# Altium PCB Magnetic-Sequencer.PcbDoc (part 2 of 3)
Units mm, origin at the board's own origin, x right, y up, seen from the top; angles counter-clockwise.
Board outline 395 x 395 mm, 2 copper layers (Top Layer, Bottom Layer), stack 1.569 mm thick; 301 components, 112 nets, 1084 pads, 626 vias.
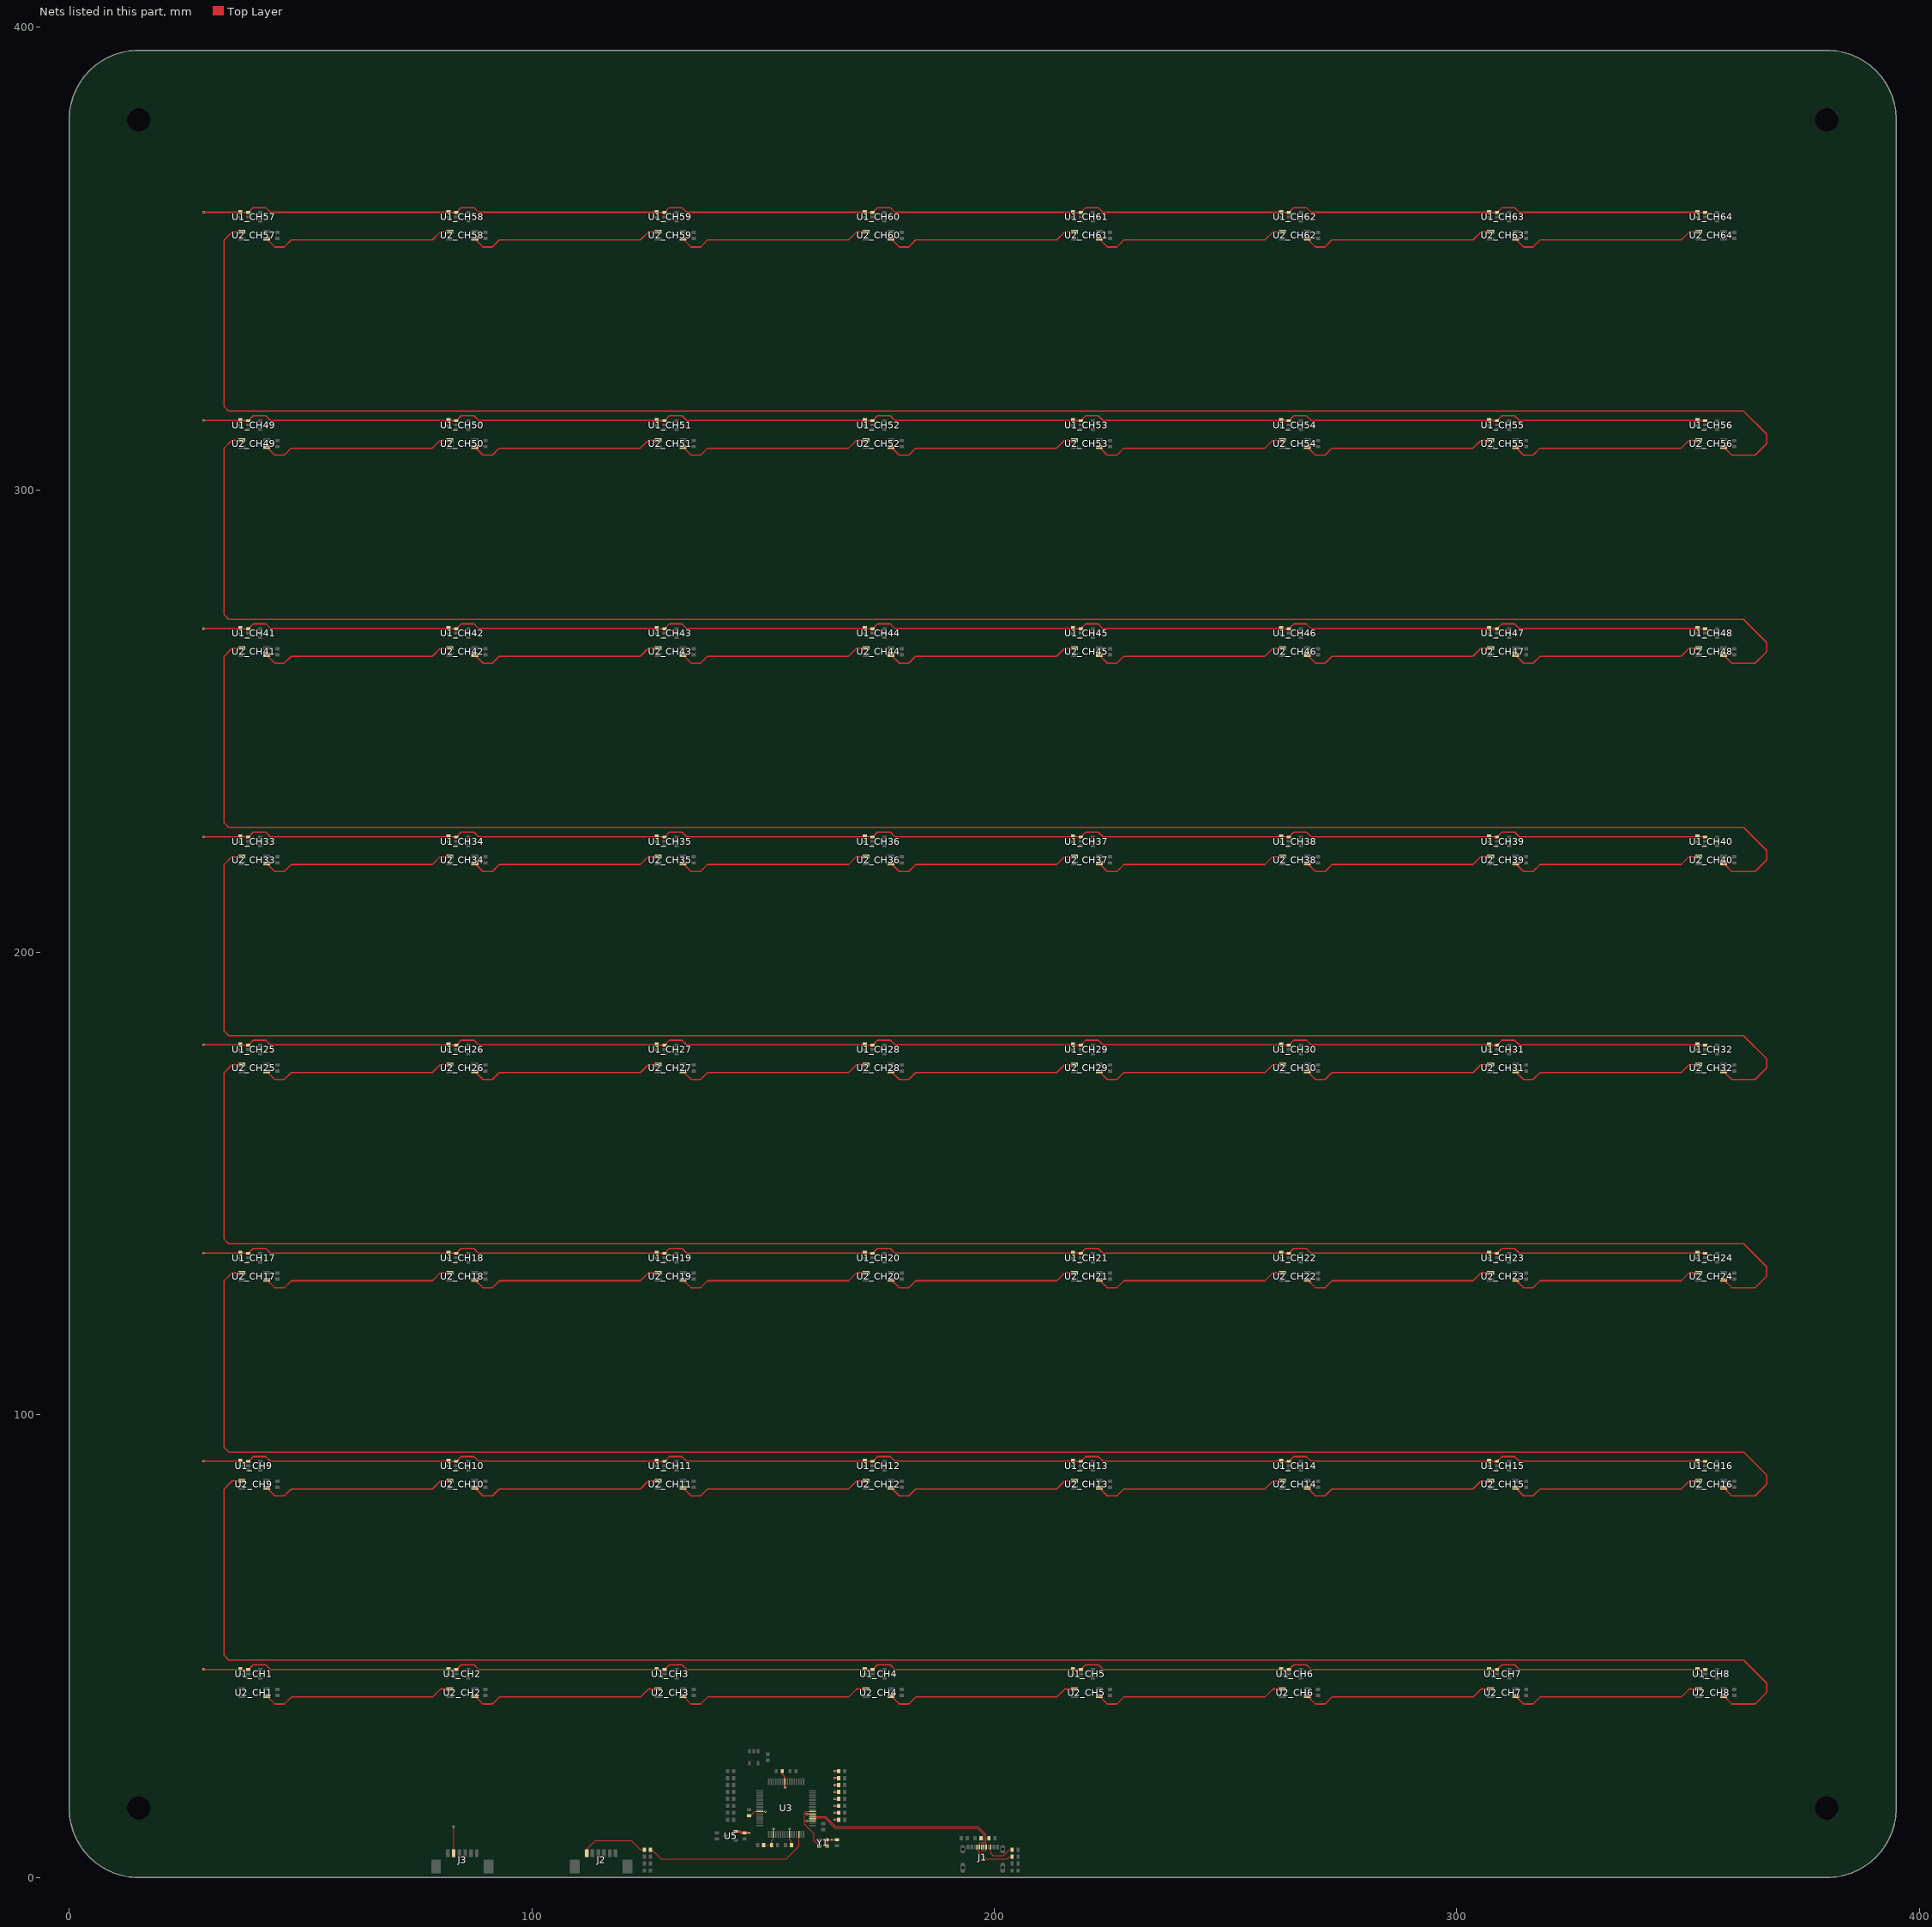
[diagram p2: the nets of this part, all layers, seen from the top]

## Part data
C1_CH1 C1_CH2 C1_CH3 C1_CH4 C1_CH5 C1_CH6 C1_CH7 C1_CH8 C1_CH9 C1_CH10 C1_CH11 C1_CH12 C1_CH13 C1_CH14 C1_CH15 C1_CH16 C1_CH17 C1_CH18 C1_CH19 C1_CH20 C1_CH21 C1_CH22 C1_CH23 C1_CH24 C1_CH25 C1_CH26 C1_CH27 C1_CH28 C1_CH29 C1_CH30 C1_CH31 C1_CH32 C1_CH33 C1_CH34 C1_CH35 C1_CH36 C1_CH37 C1_CH38 C1_CH39 C1_CH40 C1_CH41 C1_CH42 C1_CH43 C1_CH44 C1_CH45 C1_CH46 C1_CH47 C1_CH48 C1_CH49 C1_CH50 C1_CH51 C1_CH52 C1_CH53 C1_CH54 C1_CH55 C1_CH56 C1_CH57 C1_CH58 C1_CH59 C1_CH60 C1_CH61 C1_CH62 C1_CH63 C1_CH64 C2_CH1 C2_CH2 C2_CH3 C2_CH4 C2_CH5 C2_CH6 C2_CH7 C2_CH8 C2_CH9 C2_CH10 C2_CH11 C2_CH12 C2_CH13 C2_CH14 C2_CH15 C2_CH16 C2_CH17 C2_CH18 C2_CH19 C2_CH20 C2_CH21 C2_CH22 C2_CH23 C2_CH24 C2_CH25 C2_CH26 C2_CH27 C2_CH28 C2_CH29 C2_CH30 C2_CH31 C2_CH32 C2_CH33 C2_CH34 C2_CH35 C2_CH36 C2_CH37 C2_CH38 C2_CH39 C2_CH40 C2_CH41 C2_CH42 C2_CH43 C2_CH44 C2_CH45 C2_CH46 C2_CH47 C2_CH48 C2_CH49 C2_CH50 C2_CH51 C2_CH52 C2_CH53 C2_CH54 C2_CH55 C2_CH56 C2_CH57 C2_CH58 C2_CH59 C2_CH60 C2_CH61 C2_CH62 C2_CH63 C2_CH64 C3 C4 C5 C6 C7 C8 C9 C10 C11 C12: library part Capacitor
D1 D2 D3: library part "Diode TVS"
J1: library part "USB-C Receptacle (16 Pin)"
R1 R2 R3 R4 R5 R6 R7 R8 R9 R10 R11 R12 R13 R14 R15 R16 R17 R18 R19 R20 R21 R22 R23 R24 R25: library part Resistor
U3: library part PIC32MX470F512H
U4: library part "SN74LVC1xxx (1 Input)"
Y1: library part Oscillator

## Free pads (board coordinates)
  round 5.1 hole 5.1 unplated: "Mounting Hole"(15,15) "Mounting Hole"(15,380) "Mounting Hole"(380,15) "Mounting Hole"(380,380)

## Via types
v1: diameter 0.5, hole 0.3, Top Layer to Bottom Layer, tented both sides, 626 vias

## Nets (pads, with @x,y where several pads share a name; then routed paths per layer and width w, separated by ;. In a path a pad name is that pad's centre, name@x,y a point inside that pad or via, vN(x,y) a via of type N, cw(c..) or ccw(c..) an arc to the next point about the centre after c; other vN are vias at no path point)
3.3V: C1_CH1.2 C1_CH2.2 C1_CH3.2 C1_CH4.2 C1_CH5.2 C1_CH6.2 C1_CH7.2 C1_CH8.2 C1_CH9.2 C1_CH10.2 C1_CH11.2 C1_CH12.2 C1_CH13.2 C1_CH14.2 C1_CH15.2 C1_CH16.2 C1_CH17.2 C1_CH18.2 C1_CH19.2 C1_CH20.2 C1_CH21.2 C1_CH22.2 C1_CH23.2 C1_CH24.2 C1_CH25.2 C1_CH26.2 C1_CH27.2 C1_CH28.2 C1_CH29.2 C1_CH30.2 C1_CH31.2 C1_CH32.2 C1_CH33.2 C1_CH34.2 C1_CH35.2 C1_CH36.2 C1_CH37.2 C1_CH38.2 C1_CH39.2 C1_CH40.2 C1_CH41.2 C1_CH42.2 C1_CH43.2 C1_CH44.2 C1_CH45.2 C1_CH46.2 C1_CH47.2 C1_CH48.2 C1_CH49.2 C1_CH50.2 C1_CH51.2 C1_CH52.2 C1_CH53.2 C1_CH54.2 C1_CH55.2 C1_CH56.2 C1_CH57.2 C1_CH58.2 C1_CH59.2 C1_CH60.2 C1_CH61.2 C1_CH62.2 C1_CH63.2 C1_CH64.2 C3.1 C5.2 C6.2 C7.2 C8.1 C11.2 J3.2 R1.2 R3.2 R4.2 R5.2 R6.2 R7.2 R8.2 R9.2 R10.2 U1_CH1.4 U1_CH2.4 U1_CH3.4 U1_CH4.4 U1_CH5.4 U1_CH6.4 U1_CH7.4 U1_CH8.4 U1_CH9.4 U1_CH10.4 U1_CH11.4 U1_CH12.4 U1_CH13.4 U1_CH14.4 U1_CH15.4 U1_CH16.4 U1_CH17.4 U1_CH18.4 U1_CH19.4 U1_CH20.4 U1_CH21.4 U1_CH22.4 U1_CH23.4 U1_CH24.4 U1_CH25.4 U1_CH26.4 U1_CH27.4 U1_CH28.4 U1_CH29.4 U1_CH30.4 U1_CH31.4 U1_CH32.4 U1_CH33.4 U1_CH34.4 U1_CH35.4 U1_CH36.4 U1_CH37.4 U1_CH38.4 U1_CH39.4 U1_CH40.4 U1_CH41.4 U1_CH42.4 U1_CH43.4 U1_CH44.4 U1_CH45.4 U1_CH46.4 U1_CH47.4 U1_CH48.4 U1_CH49.4 U1_CH50.4 U1_CH51.4 U1_CH52.4 U1_CH53.4 U1_CH54.4 U1_CH55.4 U1_CH56.4 U1_CH57.4 U1_CH58.4 U1_CH59.4 U1_CH60.4 U1_CH61.4 U1_CH62.4 U1_CH63.4 U1_CH64.4 U3.10 U3.19 U3.26 U3.35 U3.38 U3.57 U5.2 Y1.1 Y1.4 | length 2687.4
  Top Layer w0.15: J3.2@83.125,5.254 v1(83.125,11) ; C3.1@147,13.35 147.35,13.35 148.25,14.25 U3.10@149.3,14.25 v1(150.5,14.25) ; R1.2@150.15,7 C6.2@151.85,7 151.85,7.85 152.25,8.25 U3.19@152.25,9.3 v1(152.25,10.5) ; C5.2@154.15,23 154.15,22.35 154.75,21.75 U3.57@154.75,20.7 v1(154.75,19.5) ; v1(155.75,10.5) U3.26@155.75,9.3 155.75,8.25 156.15,7.85 C8.1@156.15,7 ; v1(159.5,12.25) U3.35@160.7,12.25 ; v1(159.5,13.75) U3.38@160.7,13.75 ; Y1.4@163.865,6.835 Y1.1@163.865,8.165 v1(164.925,8.165) 165.985,8.165 C7.2@166,8.15 C7.2@166,8
  Top Layer w0.254: v1(165.5,12.5) R10.2@166.35,12.5 ; v1(165.5,14) R9.2@166.35,14 ; v1(165.5,15.5) R8.2@166.35,15.5 ; v1(165.5,17) R7.2@166.35,17 ; v1(165.5,18.5) R6.2@166.35,18.5 ; v1(165.5,20) R5.2@166.35,20 ; v1(165.5,21.5) R4.2@166.35,21.5 ; v1(165.5,23) R3.2@166.35,23
  Top Layer w0.3: v1(29,45) 37.05,45 37.1,45.05 37.2,44.95 U1_CH1.4@38.7,44.95 39.75,46 42.5,46 43.5,45 82.05,45 82.1,45.05 82.2,44.95 U1_CH2.4@83.7,44.95 84.75,46 87.5,46 88.5,45 127.05,45 127.1,45.05 127.2,44.95 U1_CH3.4@128.7,44.95 129.75,46 132.5,46 133.5,45 172.05,45 172.1,45.05 172.2,44.95 U1_CH4.4@173.7,44.95 174.75,46 177.5,46 178.5,45 217.05,45 217.1,45.05 217.2,44.95 U1_CH5.4@218.7,44.95 219.75,46 222.5,46 223.5,45 262.05,45 262.1,45.05 262.2,44.95 U1_CH6.4@263.7,44.95 264.75,46 267.5,46 268.5,45 307.05,45 307.1,45.05 307.2,44.95 U1_CH7.4@308.7,44.95 309.75,46 312.5,46 313.5,45 352.05,45 352.1,45.05 352.2,44.95 U1_CH8.4@353.7,44.95 ; v1(29,90) 37.05,90 37.1,90.05 37.2,89.95 U1_CH9.4@38.7,89.95 39.75,91 42.5,91 43.5,90 82.05,90 82.1,90.05 82.2,89.95 U1_CH10.4@83.7,89.95 84.75,91 87.5,91 88.5,90 127.05,90 127.1,90.05 127.2,89.95 U1_CH11.4@128.7,89.95 129.75,91 132.5,91 133.5,90 172.05,90 172.1,90.05 172.2,89.95 U1_CH12.4@173.7,89.95 174.75,91 177.5,91 178.5,90 217.05,90 217.1,90.05 217.2,89.95 U1_CH13.4@218.7,89.95 219.75,91 222.5,91 223.5,90 262.05,90 262.1,90.05 262.2,89.95 U1_CH14.4@263.7,89.95 264.75,91 267.5,91 268.5,90 307.05,90 307.1,90.05 307.2,89.95 U1_CH15.4@308.7,89.95 309.75,91 312.5,91 313.5,90 352.05,90 352.1,90.05 352.2,89.95 U1_CH16.4@353.7,89.95 ; v1(29,135) 37.05,135 37.1,135.05 37.2,134.95 U1_CH17.4@38.7,134.95 39.75,136 42.5,136 43.5,135 82.05,135 82.1,135.05 82.2,134.95 U1_CH18.4@83.7,134.95 84.75,136 87.5,136 88.5,135 127.05,135 127.1,135.05 127.2,134.95 U1_CH19.4@128.7,134.95 129.75,136 132.5,136 133.5,135 172.05,135 172.1,135.05 172.2,134.95 U1_CH20.4@173.7,134.95 174.75,136 177.5,136 178.5,135 217.05,135 217.1,135.05 217.2,134.95 U1_CH21.4@218.7,134.95 219.75,136 222.5,136 223.5,135 262.05,135 262.1,135.05 262.2,134.95 U1_CH22.4@263.7,134.95 264.75,136 267.5,136 268.5,135 307.05,135 307.1,135.05 307.2,134.95 U1_CH23.4@308.7,134.95 309.75,136 312.5,136 313.5,135 352.05,135 352.1,135.05 352.2,134.95 U1_CH24.4@353.7,134.95 ; v1(29,180) 37.05,180 37.1,180.05 37.2,179.95 U1_CH25.4@38.7,179.95 39.75,181 42.5,181 43.5,180 82.05,180 82.1,180.05 82.2,179.95 U1_CH26.4@83.7,179.95 84.75,181 87.5,181 88.5,180 127.05,180 127.1,180.05 127.2,179.95 U1_CH27.4@128.7,179.95 129.75,181 132.5,181 133.5,180 172.05,180 172.1,180.05 172.2,179.95 U1_CH28.4@173.7,179.95 174.75,181 177.5,181 178.5,180 217.05,180 217.1,180.05 217.2,179.95 U1_CH29.4@218.7,179.95 219.75,181 222.5,181 223.5,180 262.05,180 262.1,180.05 262.2,179.95 U1_CH30.4@263.7,179.95 264.75,181 267.5,181 268.5,180 307.05,180 307.1,180.05 307.2,179.95 U1_CH31.4@308.7,179.95 309.75,181 312.5,181 313.5,180 352.05,180 352.1,180.05 352.2,179.95 U1_CH32.4@353.7,179.95 ; v1(29,225) 30.5,225 37.05,225 37.1,225.05 37.2,224.95 U1_CH33.4@38.7,224.95 39.75,226 42.5,226 43.5,225 82.05,225 82.1,225.05 82.2,224.95 U1_CH34.4@83.7,224.95 84.75,226 87.5,226 88.5,225 127.05,225 127.1,225.05 127.2,224.95 U1_CH35.4@128.7,224.95 129.75,226 132.5,226 133.5,225 172.05,225 172.1,225.05 172.2,224.95 U1_CH36.4@173.7,224.95 174.75,226 177.5,226 178.5,225 205,225 217.05,225 217.1,225.05 217.2,224.95 U1_CH37.4@218.7,224.95 219.75,226 222.5,226 223.5,225 262.05,225 262.1,225.05 262.2,224.95 U1_CH38.4@263.7,224.95 264.75,226 267.5,226 268.5,225 307.05,225 307.1,225.05 307.2,224.95 U1_CH39.4@308.7,224.95 309.75,226 312.5,226 313.5,225 352.05,225 352.1,225.05 352.2,224.95 U1_CH40.4@353.7,224.95 ; v1(29,270) 31,270 37.05,270 37.1,270.05 37.2,269.95 U1_CH41.4@38.7,269.95 39.75,271 42.5,271 43.5,270 82.05,270 82.1,270.05 82.2,269.95 U1_CH42.4@83.7,269.95 84.75,271 87.5,271 88.5,270 127.05,270 127.1,270.05 127.2,269.95 U1_CH43.4@128.7,269.95 129.75,271 132.5,271 133.5,270 172.05,270 172.1,270.05 172.2,269.95 U1_CH44.4@173.7,269.95 174.75,271 177.5,271 178.5,270 217.05,270 217.1,270.05 217.2,269.95 U1_CH45.4@218.7,269.95 219.75,271 222.5,271 223.5,270 262.05,270 262.1,270.05 262.2,269.95 U1_CH46.4@263.7,269.95 264.75,271 267.5,271 268.5,270 307.05,270 307.1,270.05 307.2,269.95 U1_CH47.4@308.7,269.95 309.75,271 312.5,271 313.5,270 352.05,270 352.1,270.05 352.2,269.95 U1_CH48.4@353.7,269.95 ; v1(29,315) 30.5,315 37.05,315 37.1,315.05 37.2,314.95 U1_CH49.4@38.7,314.95 39.75,316 42.5,316 43.5,315 82.05,315 82.1,315.05 82.2,314.95 U1_CH50.4@83.7,314.95 84.75,316 87.5,316 88.5,315 127.05,315 127.1,315.05 127.2,314.95 U1_CH51.4@128.7,314.95 129.75,316 132.5,316 133.5,315 172.05,315 172.1,315.05 172.2,314.95 U1_CH52.4@173.7,314.95 174.75,316 177.5,316 178.5,315 217.05,315 217.1,315.05 217.2,314.95 U1_CH53.4@218.7,314.95 219.75,316 222.5,316 223.5,315 262.05,315 262.1,315.05 262.2,314.95 U1_CH54.4@263.7,314.95 264.75,316 267.5,316 268.5,315 307.05,315 307.1,315.05 307.2,314.95 U1_CH55.4@308.7,314.95 309.75,316 312.5,316 313.5,315 352.05,315 352.1,315.05 352.2,314.95 U1_CH56.4@353.7,314.95 ; v1(29,360) 31,360 37.05,360 37.1,360.05 37.2,359.95 U1_CH57.4@38.7,359.95 39.75,361 42.5,361 43.5,360 82.05,360 82.1,360.05 82.2,359.95 U1_CH58.4@83.7,359.95 84.75,361 87.5,361 88.5,360 127.05,360 127.1,360.05 127.2,359.95 U1_CH59.4@128.7,359.95 129.75,361 132.5,361 133.5,360 172.05,360 172.1,360.05 172.2,359.95 U1_CH60.4@173.7,359.95 174.75,361 177.5,361 178.5,360 217.05,360 217.1,360.05 217.2,359.95 U1_CH61.4@218.7,359.95 219.75,361 222.5,361 223.5,360 262.05,360 262.1,360.05 262.2,359.95 U1_CH62.4@263.7,359.95 264.75,361 267.5,361 268.5,360 307.05,360 307.1,360.05 307.2,359.95 U1_CH63.4@308.7,359.95 309.75,361 312.5,361 313.5,360 352.05,360 352.1,360.05 352.2,359.95 U1_CH64.4@353.7,359.95
  Top Layer w0.5: U5.2@144.1,9.95 145.05,9.95 145.35,9.65 C11.2@146,9.65 v1(147,9.65)
CC1: J1.A5 R20.2 | length 9.3
  Top Layer w0.15: J1.A5@196.25,6.625 196.25,6 198.25,4 202.75,4 203.25,4.5 R20.2@203.85,4.5
CC2: J1.B5 R19.2 | length 6.7
  Top Layer w0.15: J1.B5@199.25,6.625 199.25,5.25 199.75,4.75 202,4.75 203.25,6 R19.2@203.85,6
CLKI: U3.39 Y1.3 | length 10.3
  Top Layer w0.15: U3.39@160.7,14.25 159.25,14.25 159,14 159,11.5 161,9.5 161,7.97 Y1.3@162.135,6.835
CTS: R22.2 U3.30 | length 36.6
  Top Layer w0.15: R22.2@125.65,6 125.787,5.863 126.137,5.863 128,4 155,4 157.75,6.75 U3.30@157.75,9.3
"CTS R": J2.1 R22.1 | length 15
  Top Layer w0.15: J2.1@111.875,5.254 111.875,6.125 113.75,8 121.5,8 123.5,6 R22.1@124.35,6
D1: U2_CH1.2 U2_CH2.4 | length 41.7
  Top Layer w0.3: U2_CH1.2@42.7,39.25 44.45,37.5 46.5,37.5 48,39 78.5,39 80.25,40.75 U2_CH2.4@82.3,40.75
D2: U2_CH2.2 U2_CH3.4 | length 41.7
  Top Layer w0.3: U2_CH2.2@87.7,39.25 89.45,37.5 91.5,37.5 93,39 123.5,39 125.25,40.75 U2_CH3.4@127.3,40.75
D3: U2_CH3.2 U2_CH4.4 | length 41.7
  Top Layer w0.3: U2_CH3.2@132.7,39.25 134.45,37.5 136.5,37.5 138,39 168.5,39 170.25,40.75 U2_CH4.4@172.3,40.75
D4: U2_CH4.2 U2_CH5.4 | length 41.7
  Top Layer w0.3: U2_CH4.2@177.7,39.25 179.45,37.5 181.5,37.5 183,39 213.5,39 215.25,40.75 U2_CH5.4@217.3,40.75
D5: U2_CH5.2 U2_CH6.4 | length 41.7
  Top Layer w0.3: U2_CH5.2@222.7,39.25 224.45,37.5 226.5,37.5 228,39 258.5,39 260.25,40.75 U2_CH6.4@262.3,40.75
D6: U2_CH6.2 U2_CH7.4 | length 41.7
  Top Layer w0.3: U2_CH6.2@267.7,39.25 269.45,37.5 271.5,37.5 273,39 303.5,39 305.25,40.75 U2_CH7.4@307.3,40.75
D7: U2_CH7.2 U2_CH8.4 | length 41.7
  Top Layer w0.3: U2_CH7.2@312.7,39.25 314.45,37.5 316.5,37.5 318,39 348.5,39 350.25,40.75 U2_CH8.4@352.3,40.75
D8: U2_CH8.2 U2_CH9.4 | length 389.6
  Top Layer w0.3: U2_CH9.4@37.3,85.75 35.25,85.75 33.5,84 33.5,48 34.5,47 362,47 367,42 367,40 364.5,37.5 359.45,37.5 U2_CH8.2@357.7,39.25
D9: U2_CH9.2 U2_CH10.4 | length 41.7
  Top Layer w0.3: U2_CH9.2@42.7,84.25 44.45,82.5 46.5,82.5 48,84 78.5,84 80.25,85.75 U2_CH10.4@82.3,85.75
D10: U2_CH10.2 U2_CH11.4 | length 41.7
  Top Layer w0.3: U2_CH10.2@87.7,84.25 89.45,82.5 91.5,82.5 93,84 123.5,84 125.25,85.75 U2_CH11.4@127.3,85.75
D11: U2_CH11.2 U2_CH12.4 | length 41.7
  Top Layer w0.3: U2_CH11.2@132.7,84.25 134.45,82.5 136.5,82.5 138,84 168.5,84 170.25,85.75 U2_CH12.4@172.3,85.75
D12: U2_CH12.2 U2_CH13.4 | length 41.7
  Top Layer w0.3: U2_CH12.2@177.7,84.25 179.45,82.5 181.5,82.5 183,84 213.5,84 215.25,85.75 U2_CH13.4@217.3,85.75
D13: U2_CH13.2 U2_CH14.4 | length 41.7
  Top Layer w0.3: U2_CH13.2@222.7,84.25 224.45,82.5 226.5,82.5 228,84 258.5,84 260.25,85.75 U2_CH14.4@262.3,85.75
D14: U2_CH14.2 U2_CH15.4 | length 41.7
  Top Layer w0.3: U2_CH14.2@267.7,84.25 269.45,82.5 271.5,82.5 273,84 303.5,84 305.25,85.75 U2_CH15.4@307.3,85.75
D15: U2_CH15.2 U2_CH16.4 | length 41.7
  Top Layer w0.3: U2_CH15.2@312.7,84.25 314.45,82.5 316.5,82.5 318,84 348.5,84 350.25,85.75 U2_CH16.4@352.3,85.75
D16: U2_CH16.2 U2_CH17.4 | length 389.6
  Top Layer w0.3: U2_CH17.4@37.3,130.75 35.25,130.75 33.5,129 33.5,93 34.5,92 362,92 367,87 367,85 364.5,82.5 359.45,82.5 U2_CH16.2@357.7,84.25
D17: U2_CH17.2 U2_CH18.4 | length 41.7
  Top Layer w0.3: U2_CH17.2@42.7,129.25 44.45,127.5 46.5,127.5 48,129 78.5,129 80.25,130.75 U2_CH18.4@82.3,130.75
D18: U2_CH18.2 U2_CH19.4 | length 41.7
  Top Layer w0.3: U2_CH18.2@87.7,129.25 89.45,127.5 91.5,127.5 93,129 123.5,129 125.25,130.75 U2_CH19.4@127.3,130.75
D19: U2_CH19.2 U2_CH20.4 | length 41.7
  Top Layer w0.3: U2_CH19.2@132.7,129.25 134.45,127.5 136.5,127.5 138,129 168.5,129 170.25,130.75 U2_CH20.4@172.3,130.75
D20: U2_CH20.2 U2_CH21.4 | length 41.7
  Top Layer w0.3: U2_CH20.2@177.7,129.25 179.45,127.5 181.5,127.5 183,129 213.5,129 215.25,130.75 U2_CH21.4@217.3,130.75
D21: U2_CH21.2 U2_CH22.4 | length 41.7
  Top Layer w0.3: U2_CH21.2@222.7,129.25 224.45,127.5 226.5,127.5 228,129 258.5,129 260.25,130.75 U2_CH22.4@262.3,130.75
D22: U2_CH22.2 U2_CH23.4 | length 41.7
  Top Layer w0.3: U2_CH22.2@267.7,129.25 269.45,127.5 271.5,127.5 273,129 303.5,129 305.25,130.75 U2_CH23.4@307.3,130.75
D23: U2_CH23.2 U2_CH24.4 | length 41.7
  Top Layer w0.3: U2_CH23.2@312.7,129.25 314.45,127.5 316.5,127.5 318,129 348.5,129 350.25,130.75 U2_CH24.4@352.3,130.75
D24: U2_CH24.2 U2_CH25.4 | length 389.6
  Top Layer w0.3: U2_CH25.4@37.3,175.75 35.25,175.75 33.5,174 33.5,138 34.5,137 362,137 367,132 367,130 364.5,127.5 359.45,127.5 U2_CH24.2@357.7,129.25
D25: U2_CH25.2 U2_CH26.4 | length 41.7
  Top Layer w0.3: U2_CH25.2@42.7,174.25 44.45,172.5 46.5,172.5 48,174 78.5,174 80.25,175.75 U2_CH26.4@82.3,175.75
D26: U2_CH26.2 U2_CH27.4 | length 41.7
  Top Layer w0.3: U2_CH26.2@87.7,174.25 89.45,172.5 91.5,172.5 93,174 123.5,174 125.25,175.75 U2_CH27.4@127.3,175.75
D27: U2_CH27.2 U2_CH28.4 | length 41.7
  Top Layer w0.3: U2_CH27.2@132.7,174.25 134.45,172.5 136.5,172.5 138,174 168.5,174 170.25,175.75 U2_CH28.4@172.3,175.75
D28: U2_CH28.2 U2_CH29.4 | length 41.7
  Top Layer w0.3: U2_CH28.2@177.7,174.25 179.45,172.5 181.5,172.5 183,174 213.5,174 215.25,175.75 U2_CH29.4@217.3,175.75
D29: U2_CH29.2 U2_CH30.4 | length 41.7
  Top Layer w0.3: U2_CH29.2@222.7,174.25 224.45,172.5 226.5,172.5 228,174 258.5,174 260.25,175.75 U2_CH30.4@262.3,175.75
D30: U2_CH30.2 U2_CH31.4 | length 41.7
  Top Layer w0.3: U2_CH30.2@267.7,174.25 269.45,172.5 271.5,172.5 273,174 303.5,174 305.25,175.75 U2_CH31.4@307.3,175.75
D31: U2_CH31.2 U2_CH32.4 | length 41.7
  Top Layer w0.3: U2_CH31.2@312.7,174.25 314.45,172.5 316.5,172.5 318,174 348.5,174 350.25,175.75 U2_CH32.4@352.3,175.75
D32: U2_CH32.2 U2_CH33.4 | length 389.6
  Top Layer w0.3: U2_CH33.4@37.3,220.75 35.25,220.75 33.5,219 33.5,183 34.5,182 362,182 367,177 367,175 364.5,172.5 359.45,172.5 U2_CH32.2@357.7,174.25
D33: U2_CH33.2 U2_CH34.4 | length 41.7
  Top Layer w0.3: U2_CH33.2@42.7,219.25 44.45,217.5 46.5,217.5 48,219 78.5,219 80.25,220.75 U2_CH34.4@82.3,220.75
D34: U2_CH34.2 U2_CH35.4 | length 41.7
  Top Layer w0.3: U2_CH34.2@87.7,219.25 89.45,217.5 91.5,217.5 93,219 123.5,219 125.25,220.75 U2_CH35.4@127.3,220.75
D35: U2_CH35.2 U2_CH36.4 | length 41.7
  Top Layer w0.3: U2_CH35.2@132.7,219.25 134.45,217.5 136.5,217.5 138,219 168.5,219 170.25,220.75 U2_CH36.4@172.3,220.75
D36: U2_CH36.2 U2_CH37.4 | length 41.7
  Top Layer w0.3: U2_CH36.2@177.7,219.25 179.45,217.5 181.5,217.5 183,219 213.5,219 215.25,220.75 U2_CH37.4@217.3,220.75
D37: U2_CH37.2 U2_CH38.4 | length 41.7
  Top Layer w0.3: U2_CH37.2@222.7,219.25 224.45,217.5 226.5,217.5 228,219 258.5,219 260.25,220.75 U2_CH38.4@262.3,220.75
D38: U2_CH38.2 U2_CH39.4 | length 41.7
  Top Layer w0.3: U2_CH38.2@267.7,219.25 269.45,217.5 271.5,217.5 273,219 303.5,219 305.25,220.75 U2_CH39.4@307.3,220.75
D39: U2_CH39.2 U2_CH40.4 | length 41.7
  Top Layer w0.3: U2_CH39.2@312.7,219.25 314.45,217.5 316.5,217.5 318,219 348.5,219 350.25,220.75 U2_CH40.4@352.3,220.75
D40: U2_CH40.2 U2_CH41.4 | length 389.6
  Top Layer w0.3: U2_CH41.4@37.3,265.75 35.25,265.75 33.5,264 33.5,228 34.5,227 362,227 367,222 367,220 364.5,217.5 359.45,217.5 U2_CH40.2@357.7,219.25
D41: U2_CH41.2 U2_CH42.4 | length 41.7
  Top Layer w0.3: U2_CH41.2@42.7,264.25 44.45,262.5 46.5,262.5 48,264 78.5,264 80.25,265.75 U2_CH42.4@82.3,265.75
D42: U2_CH42.2 U2_CH43.4 | length 41.7
  Top Layer w0.3: U2_CH42.2@87.7,264.25 89.45,262.5 91.5,262.5 93,264 123.5,264 125.25,265.75 U2_CH43.4@127.3,265.75
D43: U2_CH43.2 U2_CH44.4 | length 41.7
  Top Layer w0.3: U2_CH43.2@132.7,264.25 134.45,262.5 136.5,262.5 138,264 168.5,264 170.25,265.75 U2_CH44.4@172.3,265.75
D44: U2_CH44.2 U2_CH45.4 | length 41.7
  Top Layer w0.3: U2_CH44.2@177.7,264.25 179.45,262.5 181.5,262.5 183,264 213.5,264 215.25,265.75 U2_CH45.4@217.3,265.75
D45: U2_CH45.2 U2_CH46.4 | length 41.7
  Top Layer w0.3: U2_CH45.2@222.7,264.25 224.45,262.5 226.5,262.5 228,264 258.5,264 260.25,265.75 U2_CH46.4@262.3,265.75
D46: U2_CH46.2 U2_CH47.4 | length 41.7
  Top Layer w0.3: U2_CH46.2@267.7,264.25 269.45,262.5 271.5,262.5 273,264 303.5,264 305.25,265.75 U2_CH47.4@307.3,265.75
D47: U2_CH47.2 U2_CH48.4 | length 41.7
  Top Layer w0.3: U2_CH47.2@312.7,264.25 314.45,262.5 316.5,262.5 318,264 348.5,264 350.25,265.75 U2_CH48.4@352.3,265.75
D48: U2_CH48.2 U2_CH49.4 | length 389.6
  Top Layer w0.3: U2_CH49.4@37.3,310.75 35.25,310.75 33.5,309 33.5,273 34.5,272 362,272 367,267 367,265 364.5,262.5 359.45,262.5 U2_CH48.2@357.7,264.25
D49: U2_CH49.2 U2_CH50.4 | length 41.7
  Top Layer w0.3: U2_CH49.2@42.7,309.25 44.45,307.5 46.5,307.5 48,309 78.5,309 80.25,310.75 U2_CH50.4@82.3,310.75
D50: U2_CH50.2 U2_CH51.4 | length 41.7
  Top Layer w0.3: U2_CH50.2@87.7,309.25 89.45,307.5 91.5,307.5 93,309 123.5,309 125.25,310.75 U2_CH51.4@127.3,310.75
D51: U2_CH51.2 U2_CH52.4 | length 41.7
  Top Layer w0.3: U2_CH51.2@132.7,309.25 134.45,307.5 136.5,307.5 138,309 168.5,309 170.25,310.75 U2_CH52.4@172.3,310.75
D52: U2_CH52.2 U2_CH53.4 | length 41.7
  Top Layer w0.3: U2_CH52.2@177.7,309.25 179.45,307.5 181.5,307.5 183,309 213.5,309 215.25,310.75 U2_CH53.4@217.3,310.75
D53: U2_CH53.2 U2_CH54.4 | length 41.7
  Top Layer w0.3: U2_CH53.2@222.7,309.25 224.45,307.5 226.5,307.5 228,309 258.5,309 260.25,310.75 U2_CH54.4@262.3,310.75
D54: U2_CH54.2 U2_CH55.4 | length 41.7
  Top Layer w0.3: U2_CH54.2@267.7,309.25 269.45,307.5 271.5,307.5 273,309 303.5,309 305.25,310.75 U2_CH55.4@307.3,310.75
D55: U2_CH55.2 U2_CH56.4 | length 41.7
  Top Layer w0.3: U2_CH55.2@312.7,309.25 314.45,307.5 316.5,307.5 318,309 348.5,309 350.25,310.75 U2_CH56.4@352.3,310.75
D56: U2_CH56.2 U2_CH57.4 | length 389.6
  Top Layer w0.3: U2_CH57.4@37.3,355.75 35.25,355.75 33.5,354 33.5,318 34.5,317 362,317 367,312 367,310 364.5,307.5 359.45,307.5 U2_CH56.2@357.7,309.25
D57: U2_CH57.2 U2_CH58.4 | length 41.7
  Top Layer w0.3: U2_CH57.2@42.7,354.25 44.45,352.5 46.5,352.5 48,354 78.5,354 80.25,355.75 U2_CH58.4@82.3,355.75
D58: U2_CH58.2 U2_CH59.4 | length 41.7
  Top Layer w0.3: U2_CH58.2@87.7,354.25 89.45,352.5 91.5,352.5 93,354 123.5,354 125.25,355.75 U2_CH59.4@127.3,355.75
D59: U2_CH59.2 U2_CH60.4 | length 41.7
  Top Layer w0.3: U2_CH59.2@132.7,354.25 134.45,352.5 136.5,352.5 138,354 168.5,354 170.25,355.75 U2_CH60.4@172.3,355.75
D60: U2_CH60.2 U2_CH61.4 | length 41.7
  Top Layer w0.3: U2_CH60.2@177.7,354.25 179.45,352.5 181.5,352.5 183,354 213.5,354 215.25,355.75 U2_CH61.4@217.3,355.75
D61: U2_CH61.2 U2_CH62.4 | length 41.7
  Top Layer w0.3: U2_CH61.2@222.7,354.25 224.45,352.5 226.5,352.5 228,354 258.5,354 260.25,355.75 U2_CH62.4@262.3,355.75
D62: U2_CH62.2 U2_CH63.4 | length 41.7
  Top Layer w0.3: U2_CH62.2@267.7,354.25 269.45,352.5 271.5,352.5 273,354 303.5,354 305.25,355.75 U2_CH63.4@307.3,355.75
D63: U2_CH63.2 U2_CH64.4 | length 41.7
  Top Layer w0.3: U2_CH63.2@312.7,354.25 314.45,352.5 316.5,352.5 318,354 348.5,354 350.25,355.75 U2_CH64.4@352.3,355.75
D_N: D1.1 J1.A7 J1.B7 U3.36 | length 43.7
  Top Layer w0.15: U3.36@160.7,12.75 161.525,12.75 161.625,12.85 163.4,12.85 165.55,10.7 179.968,10.7 184.927,10.7 196.3,10.7 197.85,9.15 197.85,8.525 ; J1.B7@196.75,6.625 196.75,7.25 197,7.5 197.75,7.5 ; D1.1@197.15,8.5 197.825,8.5 197.85,8.525 ; J1.A7@197.75,6.625 197.75,7.2 197.85,7.3 197.85,8.525
D_P: D2.1 J1.A6 J1.B6 U3.37 | length 45
  Top Layer w0.15: U3.37@160.7,13.25 161.525,13.25 161.625,13.15 163.524,13.15 165.674,11 182.5,11 187.48,11 196.424,11 196.512,10.912 198.15,9.274 198.15,8.525 ; J1.A6@197.25,6.625 197.25,6 197.5,5.75 198,5.75 198.25,6 J1.B6@198.25,6.625 198.25,7.2 198.15,7.3 198.15,8.525 ; D2.1@198.85,8.5 198.825,8.525 198.15,8.525